# KiCad board Duet3_MB_6HC.kicad_pcb
title: Duet 3 MB 6HC; date: 2022-10-05; rev: 1.02; company: Duet3D; note: (c) Duet3D
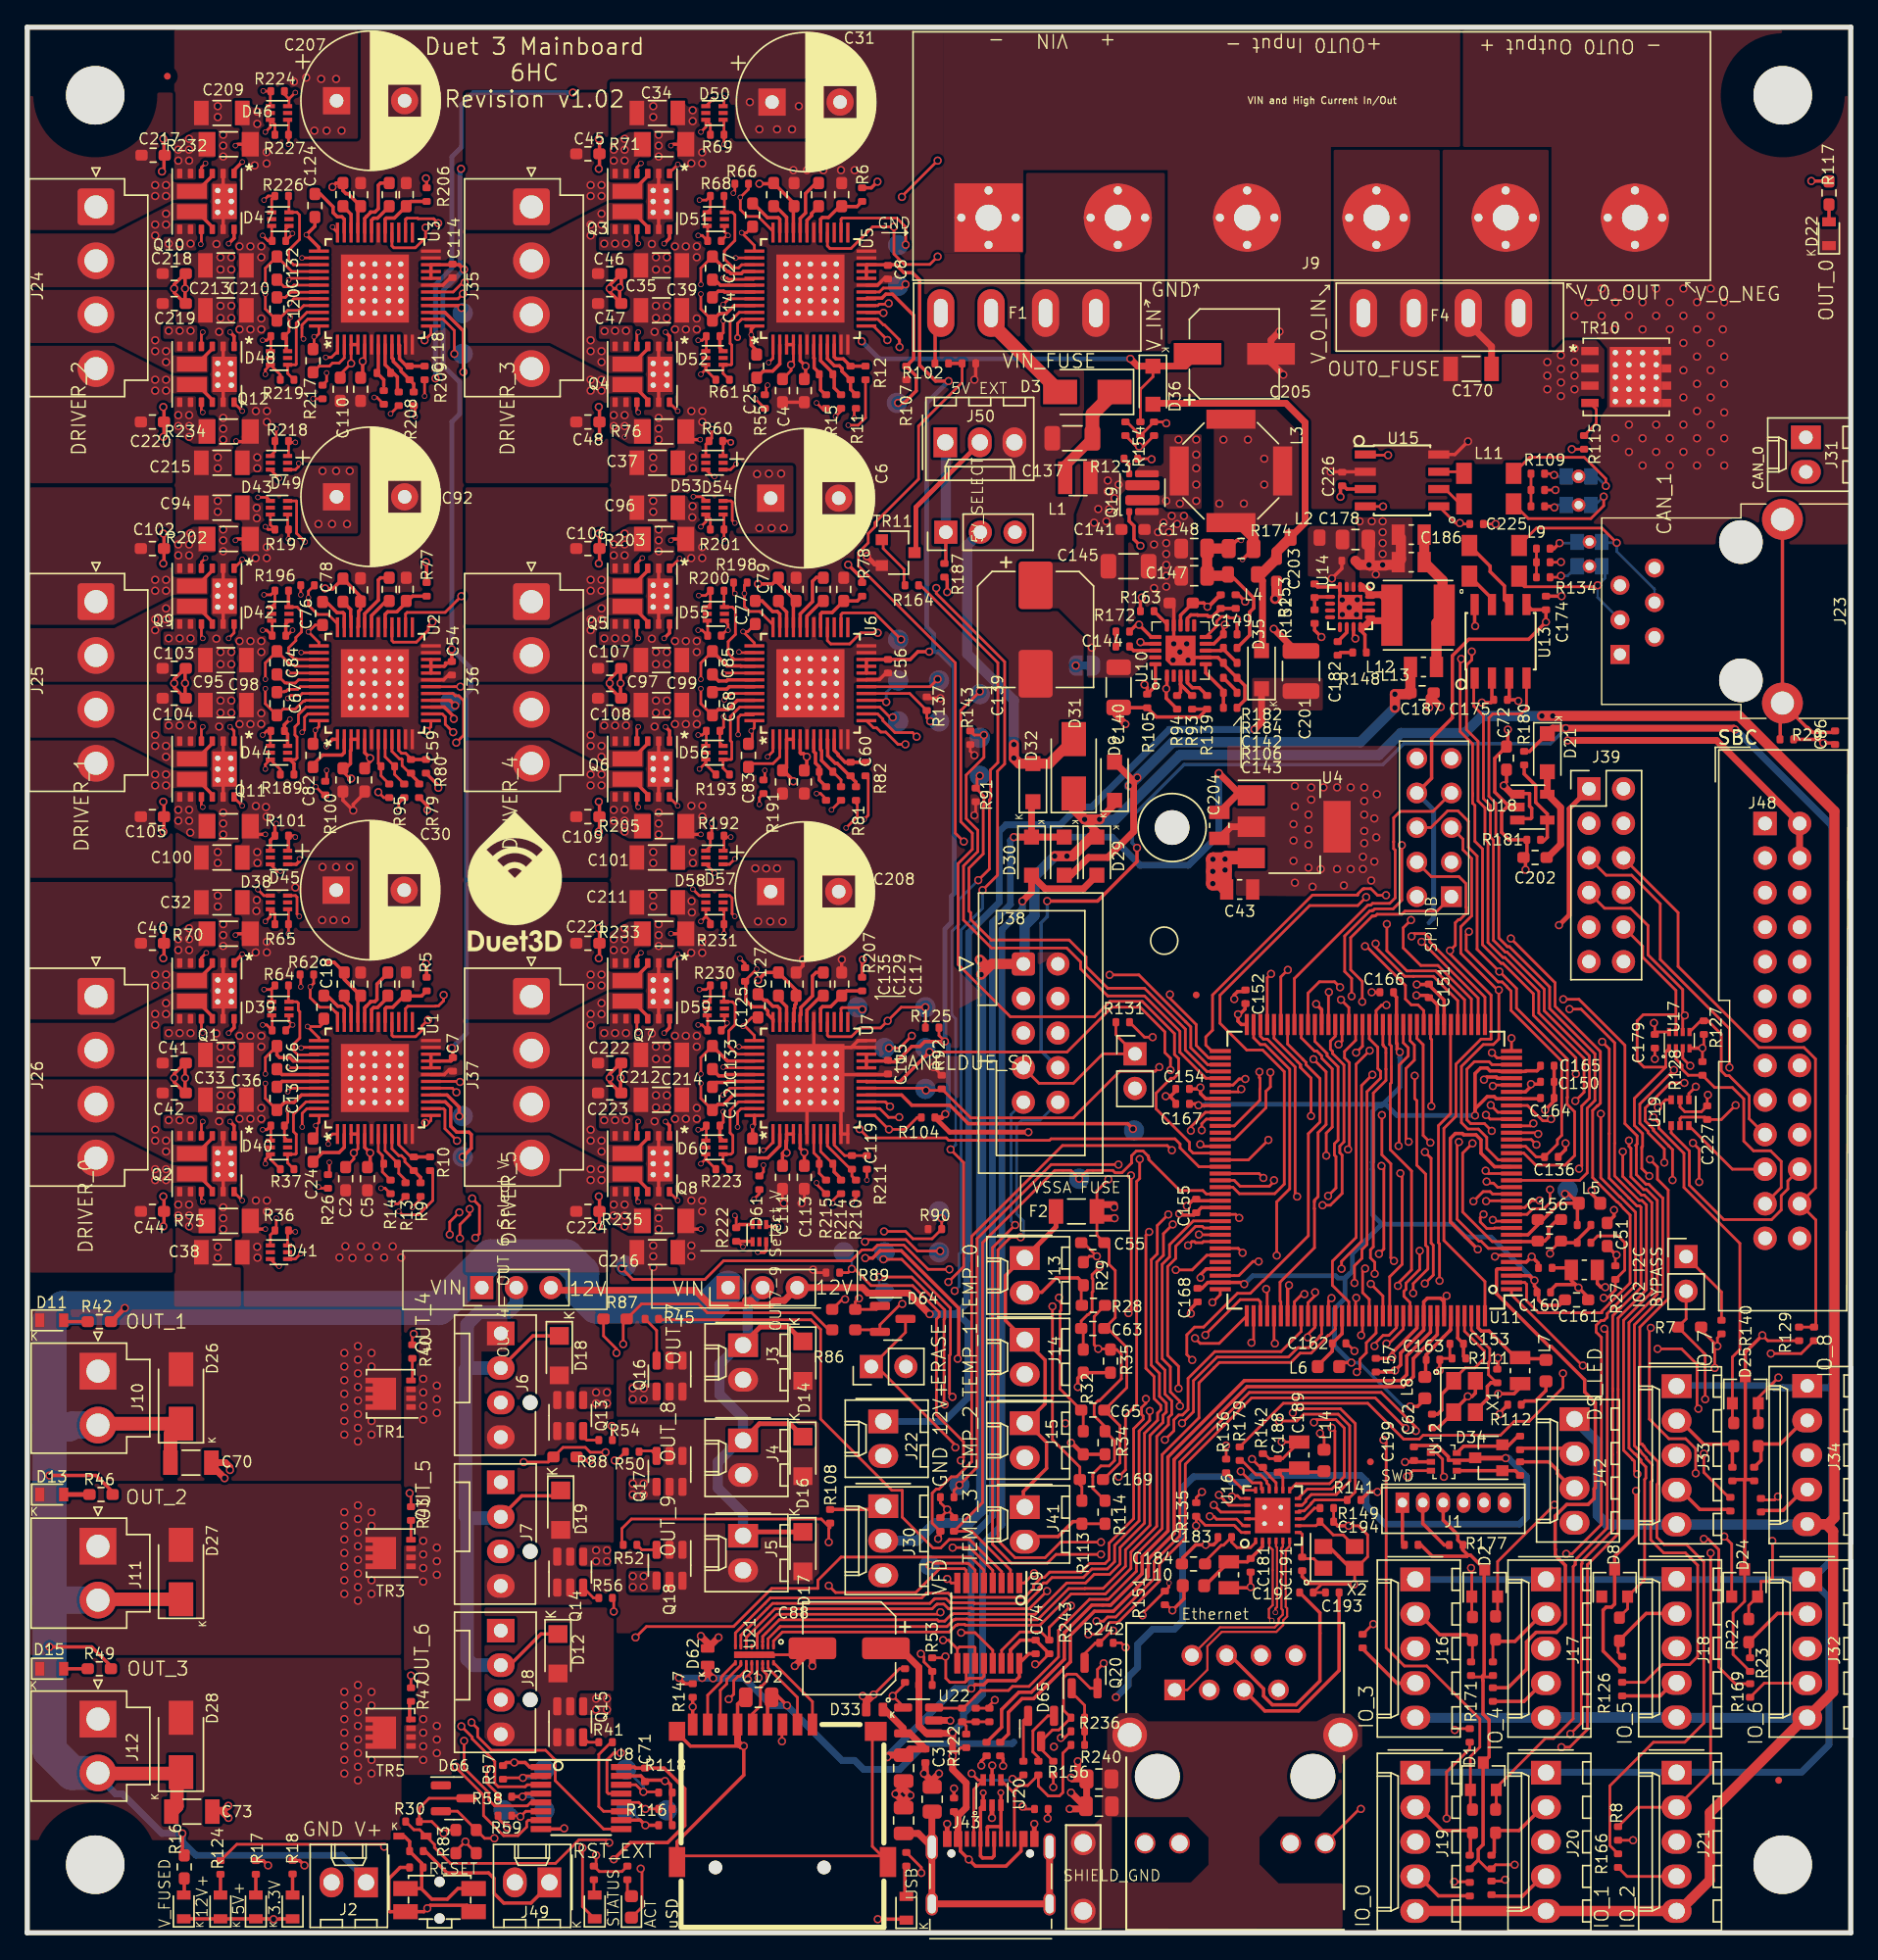
[diagram p0: board, top side]
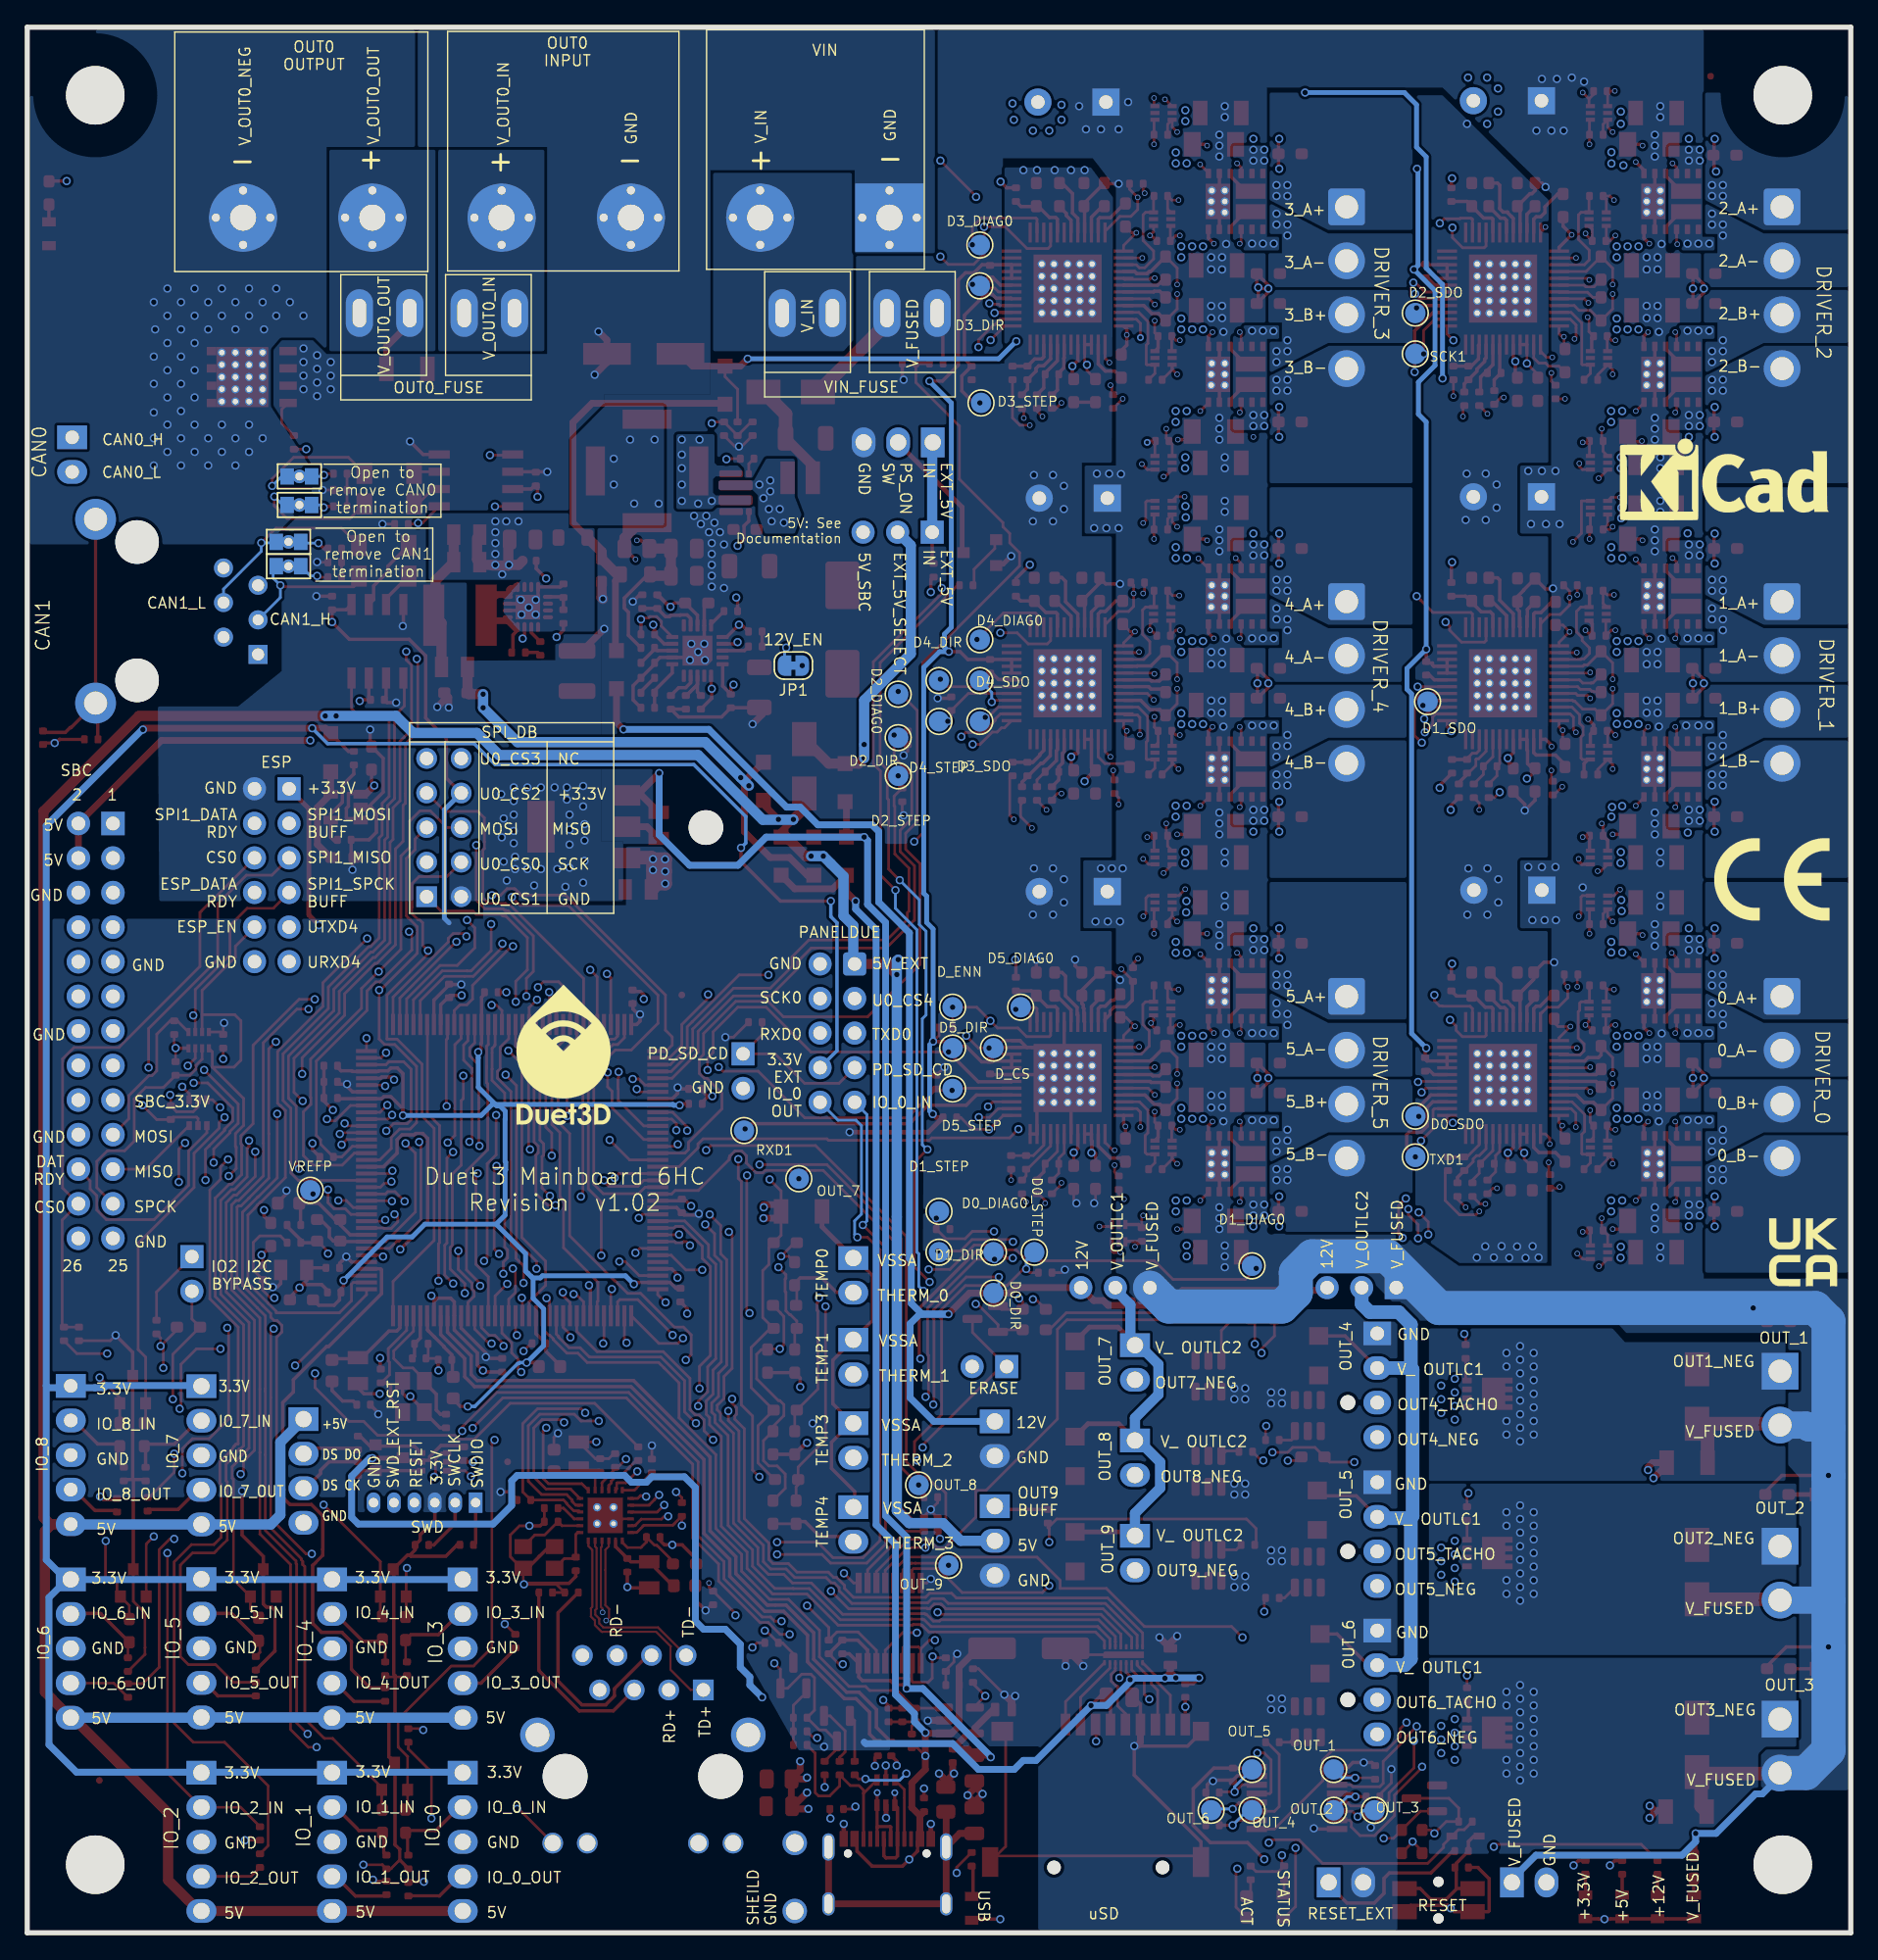
[diagram p1: board, bottom side, seen from below]

Outline 134 x 140 mm; copper layers: Top, In1.Cu, In2.Cu (plane), Bottom. Coordinates in mm from the lower left corner of the outline.
Outline path: 0,140 134,140 134,0 0,0 0,140
Stack: Top 0.035mm / dielectric 0.48mm FR4 er 4.5 / In1.Cu 0.035mm / dielectric 0.48mm FR4 er 4.5 / In2.Cu 0.035mm / dielectric 0.48mm FR4 er 4.5 / Bottom 0.035mm

## Placement (name value [footprint] x y rotation side)
BC1  SYM_2D_Barcode  [2D_Barcode_6x6_target]  83.55 72.89 0 top
C1  10u 10V  [C_0805_2012Metric]  64.4 12.1 270 top
C2  2u2 16V  [C_0603_1608Metric_Wbry]  23.4 55.4 90 top
C3  0u1 10V  [C_0402_1005Metric_Wbry]  66 13 270 top
C4  2u2 16V  [C_0603_1608Metric_Wbry]  55.5 113.3 90 top
C5  2u2 16V  [C_0603_1608Metric_Wbry]  25 55.4 90 top
C6  2u2 16V  [C_0603_1608Metric_Wbry]  57.1 113.3 90 top
C7  0u1 10V  [C_0402_1005Metric_Wbry]  31.28 63.8 90 top
C8  0u1 10V  [C_0402_1005Metric_Wbry]  63.25 122 90 top
C9  470n 16V  [C_0603_1608Metric_Wbry]  27.85 69.7 270 top
C10  470n 16V  [C_0603_1608Metric_Wbry]  59.85 127.7 270 top
C11  2n2 50V  [C_0402_1005Metric_Wbry]  28.4 56.5 270 top
C12  2n2 50V  [C_0402_1005Metric_Wbry]  60.5 114.6 270 top
C13  220n 16V  [C_0603_1608Metric_Wbry]  18.35 61.3 90 top
C14  220n 16V  [C_0603_1608Metric_Wbry]  50.35 119.3 90 top
C15  0u1 10V  [C_0402_1005Metric_Wbry]  68.1 9.4 90 top
C16  2n2 50V  [C_0402_1005Metric_Wbry]  26.7 56.5 0 top
C17  2n2 50V  [C_0402_1005Metric_Wbry]  58.7 114.5 0 top
C18  220n 16V  [C_0603_1608Metric_Wbry]  21.8 68 90 top
C19  220n 16V  [C_0603_1608Metric_Wbry]  53.3 126.2 90 top
C20  0u1 100V  [C_0603_1608Metric_Wbry]  23.3 69.7 90 top
C21  0u1 100V  [C_0603_1608Metric_Wbry]  54.85 127.7 90 top
C22  22n X7R 10% 100V  [C_0603_1608Metric_Wbry]  26.5 69.7 270 top
C23  22n X7R 10% 100V  [C_0603_1608Metric_Wbry]  58.15 127.7 270 top
C24  220n 16V  [C_0603_1608Metric_Wbry]  21 57.5 270 top
C25  220n 16V  [C_0603_1608Metric_Wbry]  53.6 115.1 270 top
C26  220n 16V  [C_0603_1608Metric_Wbry]  18.35 64.3 270 top
C27  220n 16V  [C_0603_1608Metric_Wbry]  50.35 122.3 270 top
C28  0u1 100V  [C_0603_1608Metric_Wbry]  24.5 69.7 90 top
C29  0u1 100V  [C_0603_1608Metric_Wbry]  56.35 127.7 90 top
C30  220u 63V  [CP_Radial_D10.0mm_P5.00mm]  22.7 76.6 0 top
C31  220u 63V  [CP_Radial_D10.0mm_P5.00mm]  54.73 134.5 0 top
C32  220n 100V  [C_1206_3216Metric]  14.3 75.7 180 top
C33  220n 100V  [C_1206_3216Metric]  14.6 64.5 180 top
C34  220n 100V  [C_1206_3216Metric]  46.3 133.7 180 top
C35  220n 100V  [C_1206_3216Metric]  46.6 122.5 180 top
C36  220n 100V  [C_1206_3216Metric]  14.6 61.2 180 top
C37  220n 100V  [C_1206_3216Metric]  46.3 108 180 top
C38  220n 100V  [C_1206_3216Metric]  14.3 50 180 top
C39  220n 100V  [C_1206_3216Metric]  46.6 119.2 180 top
C40  1n 100V  [C_0603_1608Metric_Wbry]  9.2 72.7 180 top
C41  1n 100V  [C_0603_1608Metric_Wbry]  10.8 63.9 180 top
C42  1n 100V  [C_0603_1608Metric_Wbry]  10.8 61.7 180 top
C43  10u 10V  [C_0805_2012Metric#2]  89.09 76.65 0 top
C44  1n 100V  [C_0603_1608Metric_Wbry]  9.2 53 180 top
C45  1n 100V  [C_0603_1608Metric_Wbry]  41.2 130.7 180 top
C46  1n 100V  [C_0603_1608Metric_Wbry]  42.8 121.9 180 top
C47  1n 100V  [C_0603_1608Metric_Wbry]  42.8 119.7 180 top
C48  1n 100V  [C_0603_1608Metric_Wbry]  41.2 111 180 top
C49  2u2 16V  [C_0603_1608Metric_Wbry]  23.2 84.7 90 top
C50  2u2 16V  [C_0603_1608Metric_Wbry]  55.5 84.55 90 top
C51  2u2 6.5V  [C_0603_1608Metric_Wbry]  116.1 51.3 90 top
C52  2u2 16V  [C_0603_1608Metric_Wbry]  24.8 84.7 90 top
C53  2u2 16V  [C_0603_1608Metric_Wbry]  57.1 84.55 90 top
C54  0u1 10V  [C_0402_1005Metric_Wbry]  31.2 92.9 90 top
C55  2u2 6.5V  [C_0603_1608Metric_Wbry]  78.3 50.7 0 top
C56  0u1 10V  [C_0402_1005Metric_Wbry]  63.25 93.05 90 top
C57  470n 16V  [C_0603_1608Metric_Wbry]  27.85 98.7 270 top
C58  470n 16V  [C_0603_1608Metric_Wbry]  60 98.7 270 top
C59  2n2 50V  [C_0402_1005Metric_Wbry]  28.2 85.7 270 top
C60  2n2 50V  [C_0402_1005Metric_Wbry]  60.5 85.5 270 top
C61  4u7 16V  [C_0805_2012Metric#2]  114.42 48.7 180 top
C62  10p 50V  [C_0402_1005Metric_Wbry]  103.23 37.6 270 top
C63  2u2 6.5V  [C_0603_1608Metric_Wbry]  78.3 44.4 0 top
C64  10n 10V  [C_0402_1005Metric_Wbry]  28.6 4.8 180 top
C65  2u2 6.5V  [C_0603_1608Metric_Wbry]  78.3 38.4 0 top
C66  10p 50V  [C_0402_1005Metric_Wbry]  108.02 40.91 90 top
C67  220n 16V  [C_0603_1608Metric_Wbry]  18.35 90.3 90 top
C68  220n 16V  [C_0603_1608Metric_Wbry]  50.35 90.3 90 top
C69  2n2 50V  [C_0402_1005Metric_Wbry]  26.5 85.7 0 top
C70  10u 50V  [C_1206_3216Metric]  12.03 34.54 0 top
C71  0u1 10V  [C_0402_1005Metric_Wbry]  45.4 11.6 270 top
C72  1u 16V  [C_0603_1608Metric_Wbry]  108.7 86.3 90 top
C73  10u 50V  [C_1206_3216Metric]  12.1 8.9 0 top
C74  0u1 10V  [C_0402_1005Metric_Wbry]  74.1 21 90 top
C75  2n2 50V  [C_0402_1005Metric_Wbry]  58.7 85.3 0 top
C76  220n 16V  [C_0603_1608Metric_Wbry]  21.7 96.93 90 top
C77  220n 16V  [C_0603_1608Metric_Wbry]  53.5 97 90 top
C78  0u1 100V  [C_0603_1608Metric_Wbry]  23.2 98.64 90 top
C79  0u1 100V  [C_0603_1608Metric_Wbry]  55.2 98.7 90 top
C80  22n X7R 10% 100V  [C_0603_1608Metric_Wbry]  26.6 98.7 270 top
C81  22n X7R 10% 100V  [C_0603_1608Metric_Wbry]  58.5 98.7 270 top
C82  220n 16V  [C_0603_1608Metric_Wbry]  21 86.5 270 top
C83  220n 16V  [C_0603_1608Metric_Wbry]  53 86.5 270 top
C84  220n 16V  [C_0603_1608Metric_Wbry]  18.35 93.3 270 top
C85  220n 16V  [C_0603_1608Metric_Wbry]  50.35 93.3 270 top
C86  4n7 100V  [C_0402_1005Metric_Wbry]  132.84 87.8 270 top
C87  0u1 100V  [C_0603_1608Metric_Wbry]  24.49 98.66 90 top
C88  100u 16V+  [CP_Elec_6.3x7.7#2]  60.4 20.9 180 top
C91  0u1 100V  [C_0603_1608Metric_Wbry]  56.5 98.7 90 top
C92  220u 63V  [CP_Radial_D10.0mm_P5.00mm]  22.73 105.5 0 top
C93  220u 63V  [CP_Radial_D10.0mm_P5.00mm]  54.63 105.4 0 top
C94  220n 100V  [C_1206_3216Metric]  14.3 104.7 180 top
C95  220n 100V  [C_1206_3216Metric]  14.6 93.5 180 top
C96  220n 100V  [C_1206_3216Metric]  46.3 104.7 180 top
C97  220n 100V  [C_1206_3216Metric]  46.6 93.5 180 top
C98  220n 100V  [C_1206_3216Metric]  14.6 90.2 180 top
C99  220n 100V  [C_1206_3216Metric]  46.6 90.2 180 top
C100  220n 100V  [C_1206_3216Metric]  14.3 79 180 top
C101  220n 100V  [C_1206_3216Metric]  46.3 79 180 top
C102  1n 100V  [C_0603_1608Metric_Wbry]  9.2 101.7 180 top
C103  1n 100V  [C_0603_1608Metric_Wbry]  10.8 92.9 180 top
C104  1n 100V  [C_0603_1608Metric_Wbry]  10.8 90.7 180 top
C105  1n 100V  [C_0603_1608Metric_Wbry]  9.2 82 180 top
C106  1n 100V  [C_0603_1608Metric_Wbry]  41.2 101.7 180 top
C107  1n 100V  [C_0603_1608Metric_Wbry]  42.8 92.9 180 top
C108  1n 100V  [C_0603_1608Metric_Wbry]  42.8 90.7 180 top
C109  1n 100V  [C_0603_1608Metric_Wbry]  41.2 82 180 top
C110  2u2 16V  [C_0603_1608Metric_Wbry]  23 113.4 90 top
C111  2u2 16V  [C_0603_1608Metric_Wbry]  55.5 55.5 90 top
C112  2u2 16V  [C_0603_1608Metric_Wbry]  24.5 113.4 90 top
C113  2u2 16V  [C_0603_1608Metric_Wbry]  57.1 55.5 90 top
C114  0u1 10V  [C_0402_1005Metric_Wbry]  31.25 122.1 90 top
C115  0u1 10V  [C_0402_1005Metric_Wbry]  63.25 63.6 90 top
C116  470n 16V  [C_0603_1608Metric_Wbry]  27.85 127.7 270 top
C117  470n 16V  [C_0603_1608Metric_Wbry]  59.85 69.7 270 top
C118  2n2 50V  [C_0402_1005Metric_Wbry]  28.1 114.6 270 top
C119  2n2 50V  [C_0402_1005Metric_Wbry]  60.6 56.6 270 top
C120  220n 16V  [C_0603_1608Metric_Wbry]  18.35 119.3 90 top
C121  220n 16V  [C_0603_1608Metric_Wbry]  50.35 61.3 90 top
C122  2n2 50V  [C_0402_1005Metric_Wbry]  26.2 114.6 0 top
C123  2n2 50V  [C_0402_1005Metric_Wbry]  58.7 56.5 0 top
C124  220n 16V  [C_0603_1608Metric_Wbry]  21.14 126.9 90 top
C125  220n 16V  [C_0603_1608Metric_Wbry]  53.7 68.1 90 top
C126  0u1 100V  [C_0603_1608Metric_Wbry]  23.2 127.7 90 top
C127  0u1 100V  [C_0603_1608Metric_Wbry]  55.2 69.7 90 top
C128  22n X7R 10% 100V  [C_0603_1608Metric_Wbry]  26.6 127.7 270 top
C129  22n X7R 10% 100V  [C_0603_1608Metric_Wbry]  58.5 69.7 270 top
C130  220n 16V  [C_0603_1608Metric_Wbry]  21 115.5 270 top
C131  220n 16V  [C_0603_1608Metric_Wbry]  53.3 57.5 270 top
C132  220n 16V  [C_0603_1608Metric_Wbry]  18.35 122.3 270 top
C133  220n 16V  [C_0603_1608Metric_Wbry]  50.35 64.3 270 top
C134  0u1 100V  [C_0603_1608Metric_Wbry]  24.5 127.7 90 top
C135  0u1 100V  [C_0603_1608Metric_Wbry]  56.5 69.7 90 top
C136  10n 10V  [C_0402_1005Metric_Wbry]  112 57 0 top
C137  4u7 100V  [C_1206_3216Metric#2]  76.8 109.8 180 top
C139  47u 63V  [CP_Elec_8x10]  74.1 95.75 270 top
C140  4u7 100V  [C_1206_3216Metric#2]  80.2 91.5 270 top
C141  0u1 100V  [C_0603_1608Metric_Wbry]  81.25 103.1 0 top
C142  2n2 10V  [C_0402_1005Metric_Wbry]  88.4 92.2 0 top
C143  22p DNP  [C_0402_1005Metric_Wbry]  88.4 90 0 top
C144  0u1 10V  [C_0402_1005Metric_Wbry]  80.5 94.5 180 top
C145  4u7 100V  [C_1206_3216Metric#2]  80.92 100.4 0 top
C147  22u 25V  [C_0805_2012Metric]  85.75 99.7 180 top
C148  22u 25V  [C_0805_2012Metric]  85.75 101.7 180 top
C149  10n 10V  [C_0402_1005Metric_Wbry]  88.4 95.4 0 top
C150  0u1 10V  [C_0402_1005Metric_Wbry]  111.7 62.52 0 top
C151  0u1 10V  [C_0402_1005Metric_Wbry]  103 69.2 270 top
C152  0u1 10V  [C_0402_1005Metric_Wbry]  89.52 68.77 90 top
C153  10p 50V  [C_0402_1005Metric_Wbry]  105.04 43.27 180 top
C154  0u1 10V  [C_0402_1005Metric_Wbry]  84.9 62 180 top
C155  0u1 10V  [C_0402_1005Metric_Wbry]  85.9 53.4 90 top
C156  1u 16V  [C_0603_1608Metric_Wbry]  111.85 52.4 0 top
C157  0u1 10V  [C_0402_1005Metric_Wbry]  99.1 41.7 270 top
C158  4u7 16V  [C_0805_2012Metric#2]  109.7 41.3 270 top
C159  0u1 10V  [C_0402_1005Metric_Wbry]  111.55 48.85 0 top
C160  0u1 10V  [C_0402_1005Metric_Wbry]  111.44 47.05 0 top
C161  1u 16V  [C_0603_1608Metric_Wbry]  113.85 46.5 0 top
C162  0u1 10V  [C_0402_1005Metric_Wbry]  96.4 43.3 0 top
C163  0u1 10V  [C_0402_1005Metric_Wbry]  103.3 42.1 0 top
C164  0u1 10V  [C_0402_1005Metric_Wbry]  111.7 61.33 0 top
C165  0u1 10V  [C_0402_1005Metric_Wbry]  111.7 63.7 0 top
C166  0u1 10V  [C_0402_1005Metric_Wbry]  99.9 69.1 180 top
C167  0u1 10V  [C_0402_1005Metric_Wbry]  84.9 60.9 180 top
C168  0u1 10V  [C_0402_1005Metric_Wbry]  86 46.85 270 top
C169  2u2 6.5V  [C_0603_1608Metric_Wbry]  78.2 33.3 0 top
C170  10u 50V  [C_1206_3216Metric]  106.1 114.9 180 top
C171  0u1 10V  [C_0402_1005Metric_Wbry]  69.7 16 90 top
C172  10u 10V  [C_0805_2012Metric]  53.75 17.3 180 top
C173  1n 1KV  [C_0805_2012Metric]  64.4 8.25 90 top
C174  0u1 10V  [C_0402_1005Metric_Wbry]  111.6 97.7 90 top
C175  0u1 10V  [C_0402_1005Metric_Wbry]  108.26 90.59 180 top
C176  0u1 16V  [C_0402_1005Metric_Wbry]  97.1 100.8 0 top
C177  4n7 100V  [C_0402_1005Metric_Wbry]  111.4 100.69 180 top
C178  10u 16V  [C_0805_2012Metric]  97.6 102.36 0 top
C179  0u1 10V  [C_0402_1005Metric_Wbry]  119.6 65.5 270 top
C180  10u 10V  [C_0805_2012Metric#2]  88.3 26.3 270 top
C181  0u1 10V  [C_0402_1005Metric_Wbry]  89.9 27 270 top
C182  0u1 10V  [C_0402_1005Metric_Wbry]  96.3 94.36 90 top
C183  0u1 10V  [C_0402_1005Metric_Wbry]  88 29.07 180 top
C184  2u2 6.5V  [C_0603_1608Metric_Wbry]  85.7 27.1 180 top
C185  22u 16V  [C_0805_2012Metric#2]  101.7 100.7 180 top
C186  22u 16V  [C_0805_2012Metric#2]  101.7 102.72 180 top
C187  1u 16V  [C_0603_1608Metric_Wbry]  102.5 91.1 0 top
C188  0u1 10V  [C_0402_1005Metric_Wbry]  91.9 34.33 90 top
C189  10u 10V  [C_0805_2012Metric#2]  93.47 35.1 90 top
C190  4n7 100V  [C_0402_1005Metric_Wbry]  111 106 180 top
C191  22p 50V  [C_0402_1005Metric_Wbry]  93.69 27.1 90 top
C192  0u1 10V  [C_0402_1005Metric_Wbry]  94 25 0 top
C193  0u1 10V  [C_0402_1005Metric_Wbry]  95.9 25 180 top
C194  22p 50V  [C_0402_1005Metric_Wbry]  95.5 30.2 180 top
C195  1n 1KV  [C_0805_2012Metric]  78.75 9.3 0 top
C199  0u1 10V  [C_0402_1005Metric_Wbry]  101.9 35.2 270 top
C200  2u2 6.5V  [C_0603_1608Metric_Wbry]  111.85 50.82 180 top
C201  2u2 100V  [C_1210_3225Metric]  93.6 92.7 90 top
C202  1u 16V  [C_0603_1608Metric_Wbry]  110.8 79 180 top
C203  1u 35V  [C_0603_1608Metric_Wbry]  91.8 100.1 90 top
C204  10u 10V  [C_0805_2012Metric#2]  87.6 81.36 270 top
C205  100u 16V+  [CP_Elec_6.3x7.7]  88.7 116 0 top
C206  10n 10V  [C_0402_1005Metric_Wbry]  82.8 110.5 270 top
C207  220u 63V  [CP_Radial_D10.0mm_P5.00mm]  22.73 134.6 0 top
C208  220u 63V  [CP_Radial_D10.0mm_P5.00mm]  54.63 76.5 0 top
C209  220n 100V  [C_1206_3216Metric]  14.3 133.7 180 top
C210  220n 100V  [C_1206_3216Metric]  14.6 122.5 180 top
C211  220n 100V  [C_1206_3216Metric]  46.3 75.7 180 top
C212  220n 100V  [C_1206_3216Metric]  46.6 64.5 180 top
C213  220n 100V  [C_1206_3216Metric]  14.6 119.2 180 top
C214  220n 100V  [C_1206_3216Metric]  46.6 61.2 180 top
C215  220n 100V  [C_1206_3216Metric]  14.3 108 180 top
C216  220n 100V  [C_1206_3216Metric]  46.3 50 180 top
C217  1n 100V  [C_0603_1608Metric_Wbry]  9.25 130.6 180 top
C218  1n 100V  [C_0603_1608Metric_Wbry]  10.8 121.9 180 top
C219  1n 100V  [C_0603_1608Metric_Wbry]  10.8 119.7 180 top
C220  1n 100V  [C_0603_1608Metric_Wbry]  9.2 111 180 top
C221  1n 100V  [C_0603_1608Metric_Wbry]  41.2 72.7 180 top
C222  1n 100V  [C_0603_1608Metric_Wbry]  42.8 63.9 180 top
C223  1n 100V  [C_0603_1608Metric_Wbry]  42.8 61.7 180 top
C224  1n 100V  [C_0603_1608Metric_Wbry]  41.2 53 180 top
C225  0u1 10V  [C_0402_1005Metric_Wbry]  106.5 103.5 0 top
C226  0u1 10V  [C_0402_1005Metric_Wbry]  96.62 106.81 90 top
C227  0u1 10V  [C_0402_1005Metric_Wbry]  123.45 60.25 90 top
C229  2u2 16V  [C_0603_1608Metric_Wbry]  84.8 97.7 180 top
D1  BAT54C  [SOT-23]  107 11.5 90 top
D2  BAT54C  [SOT-23]  107.1 25.7 90 top
D3  3A+ 60V+  [D_SMA]  77.9 113.2 180 top
D4  V_FUSED  [LED_0603_1608Metric]  11.5 1.9 90 top
D5  5V+  [LED_0603_1608Metric]  16.8 1.9 90 top
D6  3.3V  [LED_0603_1608Metric]  19.5 1.9 90 top
D7  STATUS  [LED_0603_1608Metric]  41.7 1.9 90 top
D8  BAT54C  [SOT-23]  116.65 25.7 90 top
D9  1A 60V  [D_SOD-123F]  79.9 84.6 90 top
D10  1A 40V  [D_SOD-123F]  76.2 79.1 270 top
D11  OUT_1  [LED_0603_1608Metric]  1.8 45 0 top
D12  1A+ 60V+  [DO-219AB]  39 20.5 270 top
D13  OUT_2  [LED_0603_1608Metric]  1.8 32.2 0 top
D14  1A+ 60V+  [DO-219AB]  57 42 270 top
D15  OUT_3  [LED_0603_1608Metric]  1.8 19.4 0 top
D16  1A+ 60V+  [DO-219AB]  57 35 270 top
D17  1A+ 60V+  [DO-219AB]  57 28 270 top
D18  1A+ 60V+  [DO-219AB]  39.1 42.4 270 top
D19  1A+ 60V+  [DO-219AB]  39.2 31.05 270 top
D20  1N4448WT  [SOD-523F]  28.31 7.1 0 top
D21  1A 40V  [D_SOD-123F]  111.7 86.7 270 top
D22  OUT_0  [LED_0603_1608Metric]  132.4 124.83 90 top
D23  USB  [LED_0603_1608Metric]  64.6 1.8 90 top
D24  BAT54C  [SOT-23]  126.2 25.7 90 top
D25  BAT54C  [SOT-23]  126.25 39.9 90 top
D26  3A+ 60V+  [D_SMA]  11.3 39.4 90 top
D27  3A+ 60V+  [D_SMA]  11.3 26.5 90 top
D28  3A+ 60V+  [D_SMA]  11.3 13.8 90 top
D29  1A 60V  [D_SOD-123F]  78.6 79.1 270 top
D30  1A 40V  [D_SOD-123F]  73.8 79.1 270 top
D31  3A+ 60V+  [D_SMA]  76.9 85.7 90 top
D32  1A 40V  [D_SOD-123F]  73.9 84.5 90 top
D33  D_TVS_5V  [DFN1610-2L]  62.27 16.4 180 top
D34  BAT54C  [SOT-23]  107.4 34.9 180 top
D35  1A 60V  [D_SOD-123F]  90.7 92.8 90 top
D36  1A 40V  [D_SOD-123F]  82.72 113.7 270 top
D37  12V+  [LED_0603_1608Metric]  14.2 1.9 90 top
D38  BAT40V  [SOT-563]  18.5 75.7 0 top
D39  BAT40V  [SOT-563]  18.6 67.9 0 top
D40  BAT40V  [SOT-563]  18.5 57.7 0 top
D41  BAT40V  [SOT-563]  18.5 50 0 top
D42  BAT40V  [SOT-563]  18.6 96.9 0 top
D43  BAT40V  [SOT-563]  18.5 104.7 0 top
D44  BAT40V  [SOT-563]  18.5 86.7 0 top
D45  BAT40V  [SOT-563]  18.5 79 0 top
D46  BAT40V  [SOT-563]  18.5 133.7 0 top
D47  BAT40V  [SOT-563]  18.6 125.9 0 top
D48  BAT40V  [SOT-563]  18.5 115.7 0 top
D49  BAT40V  [SOT-563]  18.5 108 0 top
D50  BAT40V  [SOT-563]  50.5 133.7 0 top
D51  BAT40V  [SOT-563]  50.6 125.9 0 top
D52  BAT40V  [SOT-563]  50.5 115.7 0 top
D53  BAT40V  [SOT-563]  50.5 108 0 top
D54  BAT40V  [SOT-563]  50.5 104.7 0 top
D55  BAT40V  [SOT-563]  50.6 96.9 0 top
D56  BAT40V  [SOT-563]  50.5 86.7 0 top
D57  BAT40V  [SOT-563]  50.5 79 0 top
D58  BAT40V  [SOT-563]  50.5 75.7 0 top
D59  BAT40V  [SOT-563]  50.6 67.9 0 top
D60  BAT40V  [SOT-563]  50.5 57.7 0 top
D61  BAT40V  [SOT-563]  53.8 51.4 90 top
D62  D_TVS_3.3V  [DFN1610-2L]  50 20.28 90 top
D63  ACT  [LED_0603_1608Metric#2]  44.4 1.9 90 top
D64  BAT54C  [SOT-23#2]  63.6 45.1 0 top
D65  BAT54C  [SOT-23#2]  74.5 15 270 top
D66  BAT54C  [SOT-23#2]  31.34 9.88 0 top
F1  VIN_FUSE  [MCCQ-122-minibladefuseholder]  67.13 119 0 top
F2  VSSA FUSE  [Fuse_1206_3216Metric]  77.1 53 0 top
F4  OUT0_FUSE  [MCCQ-122-minibladefuseholder]  98.19 119 0 top
G1  Logo_UKCA  [Logo_UKCA_5mm]  3.5 50 180 bottom
J1  SWD  [JST_ZH_1x06_P1.5_B6B-ZR-SM4-TF]  104.8 31.6 180 top
J2  GND V+  [Wurth_61900211121-1x02_P2.54mm_Vertical-(Molex_KK-254_AE-6410-02Acompatible)]  23.63 3.7 180 top
J3  OUT_7  [Wurth_61900211121-1x02_P2.54mm_Vertical-(Molex_KK-254_AE-6410-02Acompatible)]  52.6 41.9 270 top
J4  OUT_8  [Wurth_61900211121-1x02_P2.54mm_Vertical-(Molex_KK-254_AE-6410-02Acompatible)]  52.6 34.9 270 top
J5  OUT_9  [Wurth_61900211121-1x02_P2.54mm_Vertical-(Molex_KK-254_AE-6410-02Acompatible)]  52.6 27.9 270 top
J6  OUT_4  [FanPinHeader_1x04_P2.54mm_Vertical]  34.8 44.03 270 top
J7  OUT_5  [FanPinHeader_1x04_P2.54mm_Vertical]  34.8 33.1 270 top
J8  OUT_6  [FanPinHeader_1x04_P2.54mm_Vertical]  34.8 22.2 270 top
J9  VIN and High Current In/Out  [screwt-barrier-9.5mm-1x6]  94.39 126.01 180 top
J10  OUT_1  [JST_VH_B2P-VH-B_1x02_P3.96mm_Vertical]  5.2 41.26 270 top
J11  OUT_2  [JST_VH_B2P-VH-B_1x02_P3.96mm_Vertical]  5.2 28.4 270 top
J12  OUT_3  [JST_VH_B2P-VH-B_1x02_P3.96mm_Vertical]  5.2 15.7 270 top
J13  TEMP_0  [Wurth_61900211121-1x02_P2.54mm_Vertical-(Molex_KK-254_AE-6410-02Acompatible)]  73.3 48.3 270 top
J14  TEMP_1  [Wurth_61900211121-1x02_P2.54mm_Vertical-(Molex_KK-254_AE-6410-02Acompatible)]  73.3 42.3 270 top
J15  TEMP_2  [Wurth_61900211121-1x02_P2.54mm_Vertical-(Molex_KK-254_AE-6410-02Acompatible)]  73.3 36.17 270 top
J16  IO_3  [Wurth_61900511121-1x05_P2.54mm_Vertical(Molex_KK-254_AE-6410-05A_Compatibe)]  102 20.88 270 top